# EAGLE board working (EAGLE 9.6.2), part 11 of 28 (continued)
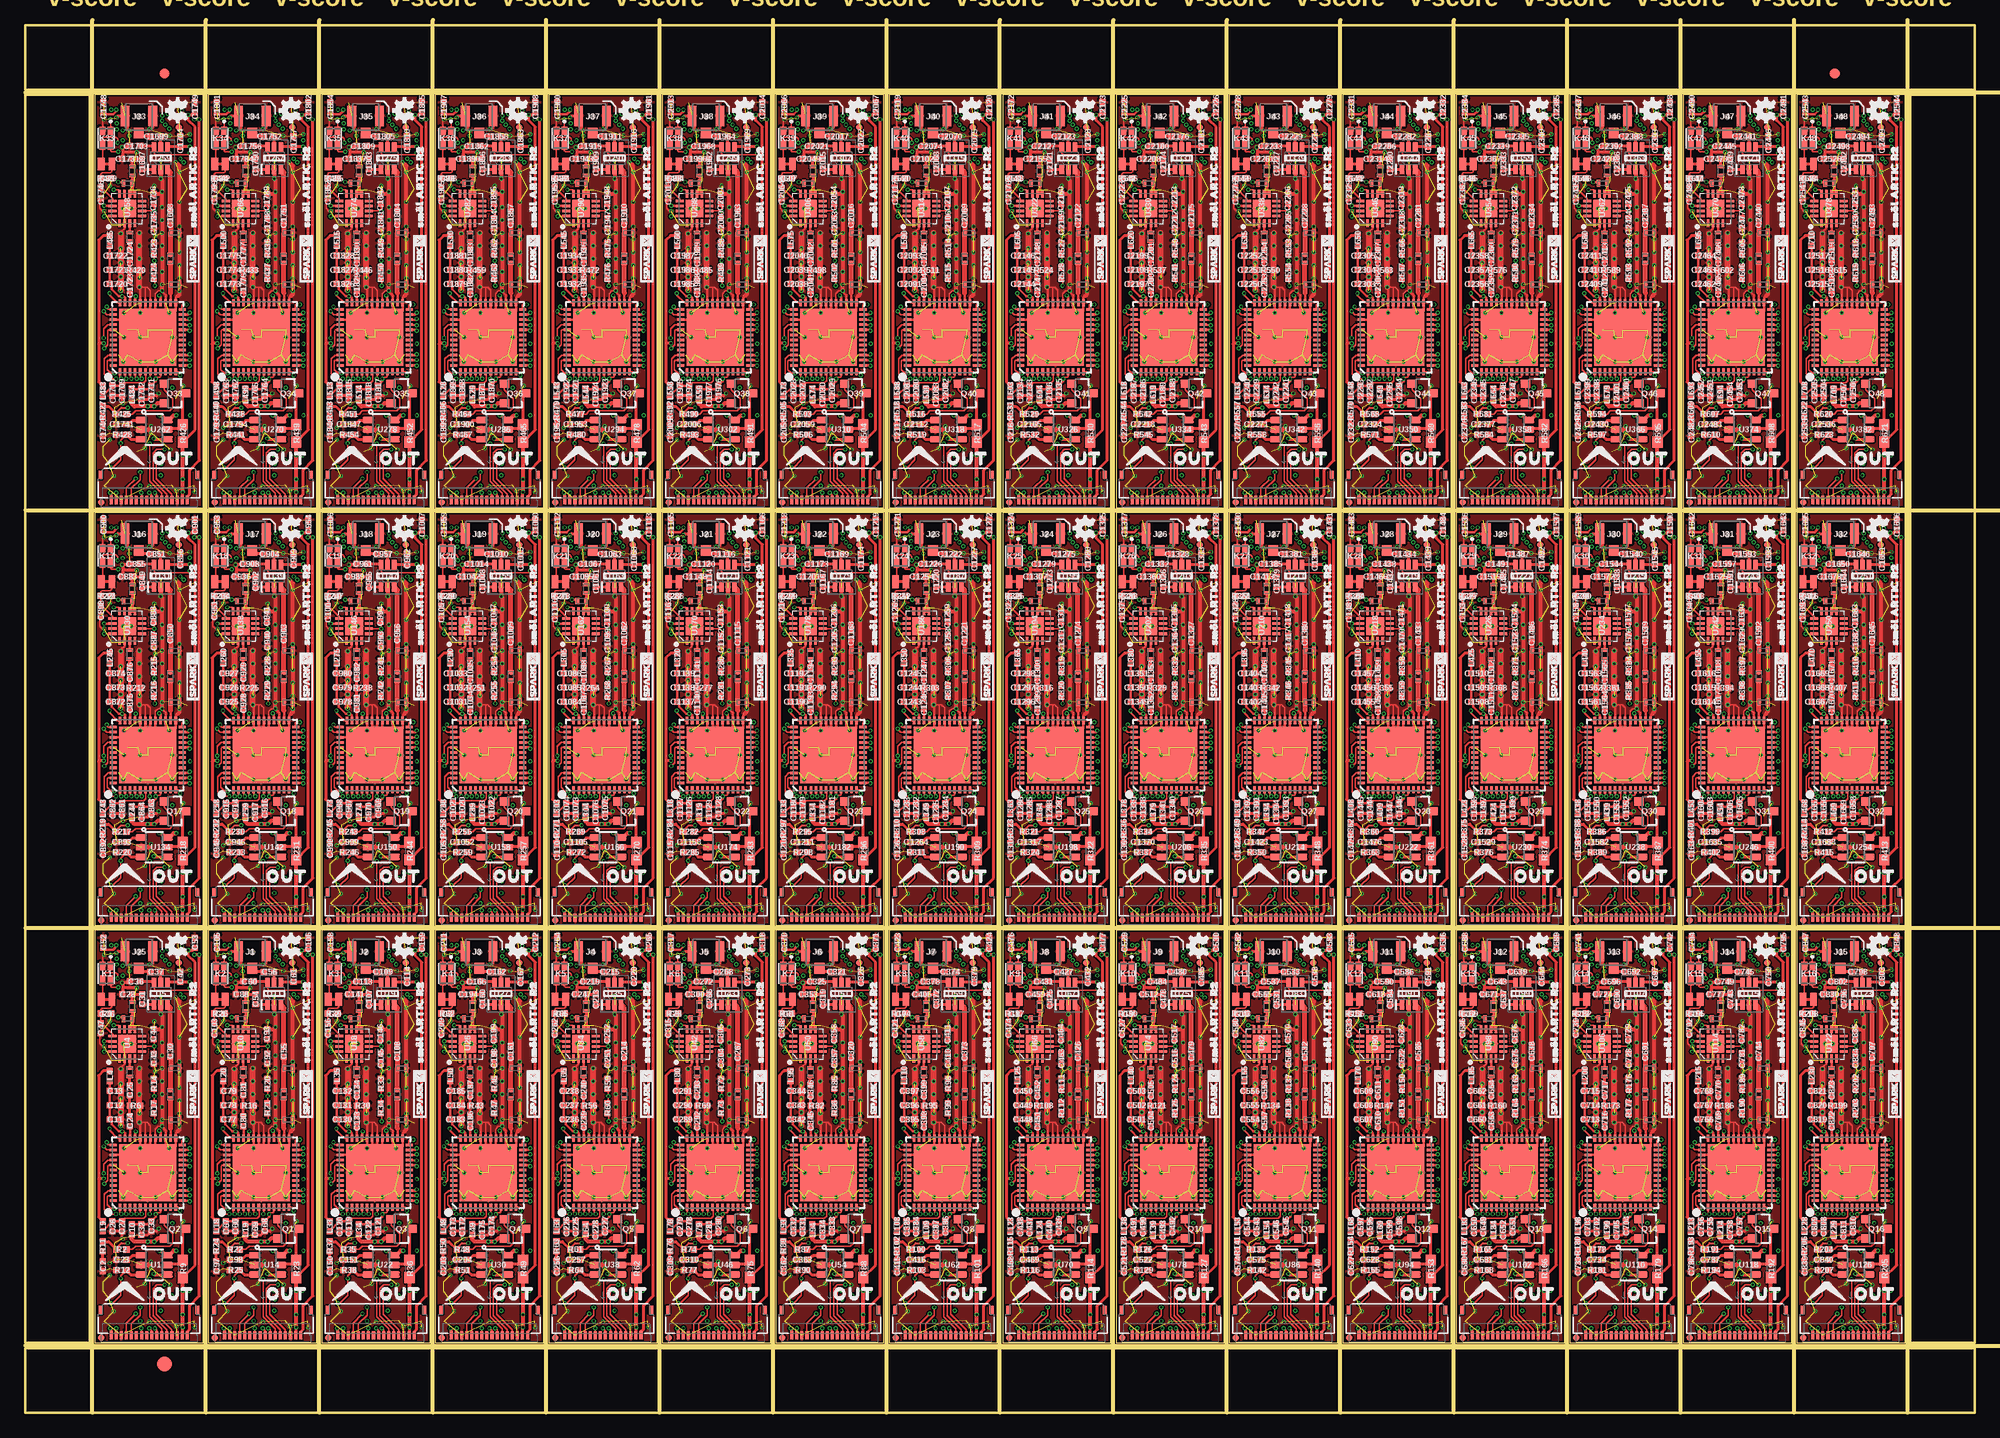
[diagram p0: board, top side]
## Tracks (layer width: path | path; a pad name or v marks a point on that pad's centre or on a via) (continued)
  Bottom 0.61: v82.04,94.3 v82.55,94.3
3.3V39  (via drill 0.2)
  Top 0.254: v87.19,128.33 87.19,128.21 86.87,127.89 86.11,127.89 C2119.1
  Top 0.305: OUT39.15 87.17,90.6 v87.19,90.62 | v93.67,128.27 93.67,128.14 93.98,127.83 v94.3,127.83 | C2120.1 94.67,127.83 v94.3,127.83 | R517.2 94.95,96.83 94.95,126.64 94.3,127.29 v94.3,127.83 | v93.73,90.68 93.67,90.63 OUT39.2
  Top 0.406: v93.09,98.23 92.84,98.23 92.39,97.79 U318.6 92.08,97.79 91.63,98.23 v91.44,98.23 | v93.73,90.68 v93.73,91.95 v93.73,94.3 R517.2
  Route15 0.305: v87.19,90.62 87.19,89.85 87.44,89.6 93.47,89.6 93.73,89.85 v93.73,90.68 | v87.19,128.33 87.19,129.03 87.5,129.35 93.35,129.35 93.67,129.03 v93.67,128.27
  Bottom 0.254: IN39.15 v87.19,128.33 | IN39.2 93.67,129.04
  Bottom 0.305: v93.73,90.68 93.86,90.81 C2110.1 93.86,91.81 v93.73,91.95 | v87.19,90.62 87.19,90.68 86.99,90.88 C2073.1 | 93.67,129.04 v93.67,128.27 93.67,128.14 93.98,127.83 v94.3,127.83
  Bottom 0.406: v93.09,98.23 92.33,98.23 | 92.33,98.23 v91.44,98.23 | v93.73,94.3 93.47,94.55 93.47,95.7 92.33,96.84 92.33,98.23
  Bottom 0.61: v93.22,94.3 v93.73,94.3
3.3V40  (via drill 0.2)
  Top 0.254: v98.36,128.33 98.36,128.21 98.04,127.89 97.29,127.89 C2172.1
  Top 0.305: OUT40.15 98.35,90.6 v98.36,90.62 | v104.84,128.27 104.84,128.14 105.15,127.83 v105.47,127.83 | C2173.1 105.85,127.83 v105.47,127.83 | R530.2 106.12,96.83 106.12,126.64 105.47,127.29 v105.47,127.83 | v104.9,90.68 104.85,90.63 OUT40.2
  Top 0.406: v104.27,98.23 104.01,98.23 103.57,97.79 U326.6 103.25,97.79 102.81,98.23 v102.62,98.23 | v104.9,90.68 v104.9,91.95 v104.9,94.3 R530.2
  Route15 0.305: v98.36,90.62 98.36,89.85 98.62,89.6 104.65,89.6 104.9,89.85 v104.9,90.68 | v98.36,128.33 98.36,129.03 98.68,129.35 104.52,129.35 104.84,129.03 v104.84,128.27
  Bottom 0.254: IN40.15 98.36,129.04 v98.36,128.33 | IN40.2
  Bottom 0.305: v104.9,90.68 105.04,90.81 C2163.1 105.04,91.81 v104.9,91.95 | v98.36,90.62 98.36,90.68 98.16,90.88 C2126.1 | IN40.2 v104.84,128.27 104.84,128.14 105.16,127.83 v105.47,127.83
  Bottom 0.406: v104.27,98.23 103.51,98.23 | 103.51,98.23 v102.62,98.23 | v104.9,94.3 104.65,94.55 104.65,95.7 103.51,96.84 103.51,98.23
  Bottom 0.61: v104.39,94.3 v104.9,94.3
3.3V41  (via drill 0.2)
  Top 0.254: v109.54,128.33 109.54,128.21 109.22,127.89 108.47,127.89 C2225.1
  Top 0.305: OUT41.15 109.53,90.6 v109.54,90.62 | v116.02,128.27 116.02,128.14 116.33,127.83 v116.65,127.83 | C2226.1 117.02,127.83 v116.65,127.83 | R543.2 117.3,96.83 117.3,126.64 116.65,127.29 v116.65,127.83 | v116.08,90.68 116.03,90.63 OUT41.2
  Top 0.406: v115.44,98.23 115.19,98.23 114.74,97.79 U334.6 114.43,97.79 113.98,98.23 v113.79,98.23 | v116.08,90.68 v116.08,91.95 v116.08,94.3 R543.2
  Route15 0.305: v109.54,90.62 109.54,89.85 109.79,89.6 115.82,89.6 116.08,89.85 v116.08,90.68 | v109.54,128.33 109.54,129.03 109.86,129.35 115.7,129.35 116.02,129.03 v116.02,128.27
  Bottom 0.254: IN41.15 v109.54,128.33 | IN41.2
  Bottom 0.305: v116.08,90.68 116.21,90.81 C2216.1 116.21,91.81 v116.08,91.95 | v109.54,90.62 109.54,90.68 109.34,90.88 C2179.1 | IN41.2 v116.02,128.27 116.02,128.14 116.33,127.83 v116.65,127.83
  Bottom 0.406: v115.44,98.23 114.68,98.23 | 114.68,98.23 v113.79,98.23 | v116.08,94.3 115.82,94.55 115.82,95.7 114.68,96.84 114.68,98.23
  Bottom 0.61: v115.57,94.3 v116.08,94.3
3.3V42  (via drill 0.2)
  Top 0.254: v120.71,128.33 120.71,128.21 120.4,127.89 119.64,127.89 C2278.1
  Top 0.305: OUT42.15 120.7,90.6 v120.71,90.62 | v127.19,128.27 127.19,128.14 127.51,127.83 v127.83,127.83 | C2279.1 128.2,127.83 v127.83,127.83 | R556.2 128.47,96.83 128.47,126.64 127.83,127.29 v127.83,127.83 | v127.25,90.68 127.2,90.63 OUT42.2
  Top 0.406: v126.62,98.23 126.37,98.23 125.92,97.79 U342.6 125.61,97.79 125.16,98.23 v124.97,98.23 | v127.25,90.68 v127.25,91.95 v127.25,94.3 R556.2
  Route15 0.305: v120.71,90.62 120.71,89.85 120.97,89.6 127,89.6 127.25,89.85 v127.25,90.68 | v120.71,128.33 120.71,129.03 121.03,129.35 126.88,129.35 127.19,129.03 v127.19,128.27
  Bottom 0.254: IN42.15 120.71,129.04 v120.71,128.33 | IN42.2
  Bottom 0.305: v127.25,90.68 127.39,90.81 C2269.1 127.39,91.81 v127.25,91.95 | v120.71,90.62 120.71,90.68 120.52,90.88 C2232.1 | IN42.2 v127.19,128.27 127.19,128.14 127.51,127.83 v127.83,127.83
  Bottom 0.406: v126.62,98.23 125.86,98.23 | 125.86,98.23 v124.97,98.23 | v127.25,94.3 127,94.55 127,95.7 125.86,96.84 125.86,98.23
  Bottom 0.61: v126.75,94.3 v127.25,94.3
3.3V43  (via drill 0.2)
  Top 0.254: v131.89,128.33 131.89,128.21 131.57,127.89 130.82,127.89 C2331.1
  Top 0.305: OUT43.15 131.88,90.6 v131.89,90.62 | v138.37,128.27 138.37,128.14 138.68,127.83 v139,127.83 | C2332.1 139.38,127.83 v139,127.83 | R569.2 139.65,96.83 139.65,126.64 139,127.29 v139,127.83 | v138.43,90.68 138.38,90.63 OUT43.2
  Top 0.406: v137.8,98.23 137.54,98.23 137.09,97.79 U350.6 136.78,97.79 136.33,98.23 v136.14,98.23 | v138.43,90.68 v138.43,91.95 v138.43,94.3 R569.2
  Route15 0.305: v131.89,90.62 131.89,89.85 132.14,89.6 138.18,89.6 138.43,89.85 v138.43,90.68 | v131.89,128.33 131.89,129.03 132.21,129.35 138.05,129.35 138.37,129.03 v138.37,128.27
  Bottom 0.254: IN43.15 131.89,129.04 v131.89,128.33 | IN43.2
  Bottom 0.305: v138.43,90.68 138.56,90.81 C2322.1 138.56,91.81 v138.43,91.95 | v131.89,90.62 131.89,90.68 131.69,90.88 C2285.1 | IN43.2 v138.37,128.27 138.37,128.14 138.69,127.83 v139,127.83
  Bottom 0.406: v137.8,98.23 137.03,98.23 | 137.03,98.23 v136.14,98.23 | v138.43,94.3 138.18,94.55 138.18,95.7 137.03,96.84 137.03,98.23
  Bottom 0.61: v137.92,94.3 v138.43,94.3
3.3V44  (via drill 0.2)
  Top 0.254: v143.07,128.33 143.07,128.21 142.75,127.89 141.99,127.89 C2384.1
  Top 0.305: OUT44.15 143.05,90.6 v143.07,90.62 | v149.55,128.27 149.55,128.14 149.86,127.83 v150.18,127.83 | C2385.1 150.55,127.83 v150.18,127.83 | R582.2 150.83,96.83 150.83,126.64 150.18,127.29 v150.18,127.83 | v149.61,90.68 149.55,90.63 OUT44.2
  Top 0.406: v148.97,98.23 148.72,98.23 148.27,97.79 U358.6 147.96,97.79 147.51,98.23 v147.32,98.23 | v149.61,90.68 v149.61,91.95 v149.61,94.3 R582.2
  Route15 0.305: v143.07,90.62 143.07,89.85 143.32,89.6 149.35,89.6 149.61,89.85 v149.61,90.68 | v143.07,128.33 143.07,129.03 143.38,129.35 149.23,129.35 149.55,129.03 v149.55,128.27
  Bottom 0.254: IN44.15 v143.07,128.33 | IN44.2 149.55,129.04
  Bottom 0.305: v149.61,90.68 149.74,90.81 C2375.1 149.74,91.81 v149.61,91.95 | v143.07,90.62 143.07,90.68 142.87,90.88 C2338.1 | 149.55,129.04 v149.55,128.27 149.55,128.14 149.86,127.83 v150.18,127.83
  Bottom 0.406: v148.97,98.23 148.21,98.23 | 148.21,98.23 v147.32,98.23 | v149.61,94.3 149.35,94.55 149.35,95.7 148.21,96.84 148.21,98.23
  Bottom 0.61: v149.1,94.3 v149.61,94.3
3.3V45  (via drill 0.2)
  Top 0.254: v154.24,128.33 154.24,128.21 153.92,127.89 153.17,127.89 C2437.1
  Top 0.305: OUT45.15 154.23,90.6 v154.24,90.62 | v160.72,128.27 160.72,128.14 161.03,127.83 v161.35,127.83 | C2438.1 161.73,127.83 v161.35,127.83 | R595.2 162,96.83 162,126.64 161.35,127.29 v161.35,127.83 | v160.78,90.68 160.73,90.63 OUT45.2
  Top 0.406: v160.15,98.23 159.89,98.23 159.45,97.79 U366.6 159.13,97.79 158.69,98.23 v158.5,98.23 | v160.78,90.68 v160.78,91.95 v160.78,94.3 R595.2
  Route15 0.305: v154.24,90.62 154.24,89.85 154.5,89.6 160.53,89.6 160.78,89.85 v160.78,90.68 | v154.24,128.33 154.24,129.03 154.56,129.35 160.4,129.35 160.72,129.03 v160.72,128.27
  Bottom 0.254: IN45.15 154.24,129.04 v154.24,128.33 | IN45.2
  Bottom 0.305: v160.78,90.68 160.92,90.81 C2428.1 160.92,91.81 v160.78,91.95 | v154.24,90.62 154.24,90.68 154.04,90.88 C2391.1 | IN45.2 v160.72,128.27 160.72,128.14 161.04,127.83 v161.35,127.83
  Bottom 0.406: v160.15,98.23 159.38,98.23 | 159.38,98.23 v158.5,98.23 | v160.78,94.3 160.53,94.55 160.53,95.7 159.38,96.84 159.38,98.23
  Bottom 0.61: v160.27,94.3 v160.78,94.3
3.3V46  (via drill 0.2)
  Top 0.254: v165.42,128.33 165.42,128.21 165.1,127.89 164.35,127.89 C2490.1
  Top 0.305: OUT46.15 165.41,90.6 v165.42,90.62 | v171.9,128.27 171.9,128.14 172.21,127.83 v172.53,127.83 | C2491.1 172.9,127.83 v172.53,127.83 | R608.2 173.18,96.83 173.18,126.64 172.53,127.29 v172.53,127.83 | v171.96,90.68 171.91,90.63 OUT46.2
  Top 0.406: v171.32,98.23 171.07,98.23 170.62,97.79 U374.6 170.31,97.79 169.86,98.23 v169.67,98.23 | v171.96,90.68 v171.96,91.95 v171.96,94.3 R608.2
  Route15 0.305: v165.42,90.62 165.42,89.85 165.67,89.6 171.7,89.6 171.96,89.85 v171.96,90.68 | v165.42,128.33 165.42,129.03 165.74,129.35 171.58,129.35 171.9,129.03 v171.9,128.27
  Bottom 0.254: IN46.15 v165.42,128.33 | IN46.2
  Bottom 0.305: v171.96,90.68 172.09,90.81 C2481.1 172.09,91.81 v171.96,91.95 | v165.42,90.62 165.42,90.68 165.22,90.88 C2444.1 | IN46.2 v171.9,128.27 171.9,128.14 172.21,127.83 v172.53,127.83
  Bottom 0.406: v171.32,98.23 170.56,98.23 | 170.56,98.23 v169.67,98.23 | v171.96,94.3 171.7,94.55 171.7,95.7 170.56,96.84 170.56,98.23
  Bottom 0.61: v171.45,94.3 v171.96,94.3
3.3V47  (via drill 0.2)
  Top 0.254: v176.59,128.33 176.59,128.21 176.28,127.89 175.52,127.89 C2543.1
  Top 0.305: OUT47.15 176.58,90.6 v176.59,90.62 | v183.07,128.27 183.07,128.14 183.39,127.83 v183.71,127.83 | C2544.1 184.08,127.83 v183.71,127.83 | R621.2 184.35,96.83 184.35,126.64 183.71,127.29 v183.71,127.83 | v183.13,90.68 183.08,90.63 OUT47.2
  Top 0.406: v182.5,98.23 182.25,98.23 181.8,97.79 U382.6 181.49,97.79 181.04,98.23 v180.85,98.23 | v183.13,90.68 v183.13,91.95 v183.13,94.3 R621.2
  Route15 0.305: v176.59,90.62 176.59,89.85 176.85,89.6 182.88,89.6 183.13,89.85 v183.13,90.68 | v176.59,128.33 176.59,129.03 176.91,129.35 182.76,129.35 183.07,129.03 v183.07,128.27
  Bottom 0.254: IN47.15 176.59,129.04 v176.59,128.33 | IN47.2
  Bottom 0.305: v183.13,90.68 183.27,90.81 C2534.1 183.27,91.81 v183.13,91.95 | v176.59,90.62 176.59,90.68 176.4,90.88 C2497.1 | IN47.2 v183.07,128.27 183.07,128.14 183.39,127.83 v183.71,127.83
  Bottom 0.406: v182.5,98.23 181.74,98.23 | 181.74,98.23 v180.85,98.23 | v183.13,94.3 182.88,94.55 182.88,95.7 181.74,96.84 181.74,98.23
  Bottom 0.61: v182.63,94.3 v183.13,94.3
ANTENNA
  Top 0.305: C37.1 11.51,43.43 J25.FEED
ANTENNA1
  Top 0.305: C56.1 22.68,43.43 J1.FEED
ANTENNA2
  Top 0.305: C109.1 33.86,43.43 J2.FEED
ANTENNA3
  Top 0.305: C162.1 45.03,43.43 J3.FEED
ANTENNA4
  Top 0.305: C215.1 56.21,43.43 J4.FEED
ANTENNA5
  Top 0.305: C268.1 67.39,43.43 J5.FEED
ANTENNA6
  Top 0.305: C321.1 78.56,43.43 J6.FEED
ANTENNA7
  Top 0.305: C374.1 89.74,43.43 J7.FEED
ANTENNA8
  Top 0.305: C427.1 100.91,43.43 J8.FEED
ANTENNA9
  Top 0.305: C480.1 112.09,43.43 J9.FEED
ANTENNA10
  Top 0.305: C533.1 123.27,43.43 J10.FEED
ANTENNA11
  Top 0.305: C586.1 134.44,43.43 J11.FEED
ANTENNA12
  Top 0.305: C639.1 145.62,43.43 J12.FEED
ANTENNA13
  Top 0.305: C692.1 156.79,43.43 J13.FEED
ANTENNA14
  Top 0.305: C745.1 167.97,43.43 J14.FEED
ANTENNA15
  Top 0.305: C798.1 179.15,43.43 J15.FEED
ANTENNA16
  Top 0.305: C851.1 11.51,84.58 J16.FEED
ANTENNA17
  Top 0.305: C904.1 22.68,84.58 J17.FEED
ANTENNA18
  Top 0.305: C957.1 33.86,84.58 J18.FEED
ANTENNA19
  Top 0.305: C1010.1 45.03,84.58 J19.FEED
ANTENNA20
  Top 0.305: C1063.1 56.21,84.58 J20.FEED
ANTENNA21
  Top 0.305: C1116.1 67.39,84.58 J21.FEED
ANTENNA22
  Top 0.305: C1169.1 78.56,84.58 J22.FEED
ANTENNA23
  Top 0.305: C1222.1 89.74,84.58 J23.FEED
ANTENNA24
  Top 0.305: C1275.1 100.91,84.58 J24.FEED
ANTENNA25
  Top 0.305: C1328.1 112.09,84.58 J26.FEED
ANTENNA26
  Top 0.305: C1381.1 123.27,84.58 J27.FEED
ANTENNA27
  Top 0.305: C1434.1 134.44,84.58 J28.FEED
ANTENNA28
  Top 0.305: C1487.1 145.62,84.58 J29.FEED
ANTENNA29
  Top 0.305: C1540.1 156.79,84.58 J30.FEED
ANTENNA30
  Top 0.305: C1593.1 167.97,84.58 J31.FEED
ANTENNA31
  Top 0.305: C1646.1 179.15,84.58 J32.FEED
ANTENNA32
  Top 0.305: C1699.1 11.51,125.73 J33.FEED
ANTENNA33
  Top 0.305: C1752.1 22.68,125.73 J34.FEED
ANTENNA34
  Top 0.305: C1805.1 33.86,125.73 J35.FEED
ANTENNA35
  Top 0.305: C1858.1 45.03,125.73 J36.FEED
ANTENNA36
  Top 0.305: C1911.1 56.21,125.73 J37.FEED
ANTENNA37
  Top 0.305: C1964.1 67.39,125.73 J38.FEED
ANTENNA38
  Top 0.305: C2017.1 78.56,125.73 J39.FEED
ANTENNA39
  Top 0.305: C2070.1 89.74,125.73 J40.FEED
ANTENNA40
  Top 0.305: C2123.1 100.91,125.73 J41.FEED
ANTENNA41
  Top 0.305: C2176.1 112.09,125.73 J42.FEED
ANTENNA42
  Top 0.305: C2229.1 123.27,125.73 J43.FEED
ANTENNA43
  Top 0.305: C2282.1 134.44,125.73 J44.FEED
ANTENNA44
  Top 0.305: C2335.1 145.62,125.73 J45.FEED
ANTENNA45
  Top 0.305: C2388.1 156.79,125.73 J46.FEED
ANTENNA46
  Top 0.305: C2441.1 167.97,125.73 J47.FEED
ANTENNA47
  Top 0.305: C2494.1 179.15,125.73 J48.FEED
BOOT  (via drill 0.2)
  Top 0.152: U3.46 8.16,21.87 7.79,21.5 7.79,20.03 8.25,19.56 v8.93,19.56
  Route15 0.152: v8.93,19.56 8.93,17.18 10.3,15.81 10.3,12.18 11.18,11.3 12.57,11.3 13.34,10.54 v13.34,10.03
  Bottom 0.152: U8.3 13.72,9.71 13.37,10.06 v13.34,10.03 | R5.1 8.93,18.38 v8.93,19.56
BOOT1  (via drill 0.2)
  Top 0.152: U9.46 19.33,21.87 18.96,21.5 18.96,20.03 19.43,19.56 v20.1,19.56
  Route15 0.152: v20.1,19.56 20.1,17.18 21.47,15.81 21.47,12.18 22.35,11.3 23.75,11.3 24.51,10.54 v24.51,10.03
  Bottom 0.152: U16.3 24.9,9.71 24.54,10.06 v24.51,10.03 | R13.1 20.1,18.38 v20.1,19.56
BOOT2  (via drill 0.2)
  Top 0.152: U17.46 30.51,21.87 30.14,21.5 30.14,20.03 30.61,19.56 v31.28,19.56
  Route15 0.152: v31.28,19.56 31.28,17.18 32.65,15.81 32.65,12.18 33.53,11.3 34.92,11.3 35.69,10.54 v35.69,10.03
  Bottom 0.152: U24.3 36.08,9.71 35.72,10.06 v35.69,10.03 | R28.1 31.28,18.38 v31.28,19.56
BOOT3  (via drill 0.2)
  Top 0.152: U25.46 41.68,21.87 41.31,21.5 41.31,20.03 41.78,19.56 v42.46,19.56
  Route15 0.152: v42.46,19.56 42.46,17.18 43.83,15.81 43.83,12.18 44.7,11.3 46.1,11.3 46.86,10.54 v46.86,10.03
  Bottom 0.152: U32.3 47.25,9.71 46.89,10.06 v46.86,10.03 | R41.1 42.46,18.38 v42.46,19.56
BOOT4  (via drill 0.2)
  Top 0.152: U33.46 52.86,21.87 52.49,21.5 52.49,20.03 52.96,19.56 v53.63,19.56
  Route15 0.152: v53.63,19.56 53.63,17.18 55,15.81 55,12.18 55.88,11.3 57.28,11.3 58.04,10.54 v58.04,10.03
  Bottom 0.152: U40.3 58.43,9.71 58.07,10.06 v58.04,10.03 | R54.1 53.63,18.38 v53.63,19.56
BOOT5  (via drill 0.2)
  Top 0.152: U41.46 64.04,21.87 63.66,21.5 63.66,20.03 64.14,19.56 v64.81,19.56
  Route15 0.152: v64.81,19.56 64.81,17.18 66.18,15.81 66.18,12.18 67.06,11.3 68.45,11.3 69.22,10.54 v69.22,10.03
  Bottom 0.152: U48.3 69.6,9.71 69.25,10.06 v69.22,10.03 | R67.1 64.81,18.38 v64.81,19.56
BOOT6  (via drill 0.2)
  Top 0.152: U49.46 75.21,21.87 74.84,21.5 74.84,20.03 75.31,19.56 v75.98,19.56
  Route15 0.152: v75.98,19.56 75.98,17.18 77.35,15.81 77.35,12.18 78.23,11.3 79.63,11.3 80.39,10.54 v80.39,10.03
  Bottom 0.152: U56.3 80.78,9.71 80.42,10.06 v80.39,10.03 | R80.1 75.98,18.38 v75.98,19.56
BOOT7  (via drill 0.2)
  Top 0.152: U57.46 86.39,21.87 86.02,21.5 86.02,20.03 86.49,19.56 v87.16,19.56
  Route15 0.152: v87.16,19.56 87.16,17.18 88.53,15.81 88.53,12.18 89.41,11.3 90.81,11.3 91.57,10.54 v91.57,10.03
  Bottom 0.152: U64.3 91.95,9.71 91.6,10.06 v91.57,10.03 | R93.1 87.16,18.38 v87.16,19.56
BOOT8  (via drill 0.2)
  Top 0.152: U65.46 97.56,21.87 97.19,21.5 97.19,20.03 97.66,19.56 v98.34,19.56
  Route15 0.152: v98.34,19.56 98.34,17.18 99.71,15.81 99.71,12.18 100.58,11.3 101.98,11.3 102.74,10.54 v102.74,10.03
  Bottom 0.152: U72.3 103.13,9.71 102.78,10.06 v102.74,10.03 | R106.1 98.34,18.38 v98.34,19.56
BOOT9  (via drill 0.2)
  Top 0.152: U73.46 108.74,21.87 108.37,21.5 108.37,20.03 108.84,19.56 v109.51,19.56
  Route15 0.152: v109.51,19.56 109.51,17.18 110.88,15.81 110.88,12.18 111.76,11.3 113.16,11.3 113.92,10.54 v113.92,10.03
  Bottom 0.152: U80.3 114.31,9.71 113.95,10.06 v113.92,10.03 | R119.1 109.51,18.38 v109.51,19.56
BOOT10  (via drill 0.2)
  Top 0.152: U81.46 119.92,21.87 119.55,21.5 119.55,20.03 120.02,19.56 v120.69,19.56
  Route15 0.152: v120.69,19.56 120.69,17.18 122.06,15.81 122.06,12.18 122.94,11.3 124.33,11.3 125.09,10.54 v125.09,10.03
  Bottom 0.152: U88.3 125.48,9.71 125.13,10.06 v125.09,10.03 | R132.1 120.69,18.38 v120.69,19.56
BOOT11  (via drill 0.2)
  Top 0.152: U89.46 131.09,21.87 130.72,21.5 130.72,20.03 131.19,19.56 v131.86,19.56
  Route15 0.152: v131.86,19.56 131.86,17.18 133.23,15.81 133.23,12.18 134.11,11.3 135.51,11.3 136.27,10.54 v136.27,10.03
  Bottom 0.152: U96.3 136.66,9.71 136.3,10.06 v136.27,10.03 | R145.1 131.86,18.38 v131.86,19.56
BOOT12  (via drill 0.2)
  Top 0.152: U97.46 142.27,21.87 141.9,21.5 141.9,20.03 142.37,19.56 v143.04,19.56
  Route15 0.152: v143.04,19.56 143.04,17.18 144.41,15.81 144.41,12.18 145.29,11.3 146.69,11.3 147.45,10.54 v147.45,10.03
  Bottom 0.152: U104.3 147.84,9.71 147.48,10.06 v147.45,10.03 | R158.1 143.04,18.38 v143.04,19.56
BOOT13  (via drill 0.2)
  Top 0.152: U105.46 153.44,21.87 153.07,21.5 153.07,20.03 153.54,19.56 v154.22,19.56
  Route15 0.152: v154.22,19.56 154.22,17.18 155.59,15.81 155.59,12.18 156.46,11.3 157.86,11.3 158.62,10.54 v158.62,10.03
  Bottom 0.152: U112.3 159.01,9.71 158.66,10.06 v158.62,10.03 | R171.1 154.22,18.38 v154.22,19.56
BOOT14  (via drill 0.2)
  Top 0.152: U113.46 164.62,21.87 164.25,21.5 164.25,20.03 164.72,19.56 v165.39,19.56
  Route15 0.152: v165.39,19.56 165.39,17.18 166.76,15.81 166.76,12.18 167.64,11.3 169.04,11.3 169.8,10.54 v169.8,10.03
  Bottom 0.152: U120.3 170.19,9.71 169.83,10.06 v169.8,10.03 | R184.1 165.39,18.38 v165.39,19.56
BOOT15  (via drill 0.2)
  Top 0.152: U121.46 175.8,21.87 175.43,21.5 175.43,20.03 175.9,19.56 v176.57,19.56
  Route15 0.152: v176.57,19.56 176.57,17.18 177.94,15.81 177.94,12.18 178.82,11.3 180.21,11.3 180.97,10.54 v180.97,10.03
  Bottom 0.152: U128.3 181.36,9.71 181.01,10.06 v180.97,10.03 | R197.1 176.57,18.38 v176.57,19.56
BOOT16  (via drill 0.2)
  Top 0.152: U129.46 8.16,63.02 7.79,62.65 7.79,61.18 8.25,60.71 v8.93,60.71
  Route15 0.152: v8.93,60.71 8.93,58.33 10.3,56.96 10.3,53.33 11.18,52.45 12.57,52.45 13.34,51.69 v13.34,51.18
  Bottom 0.152: U136.3 13.72,50.86 13.37,51.21 v13.34,51.18 | R210.1 8.93,59.53 v8.93,60.71
BOOT17  (via drill 0.2)
  Top 0.152: U137.46 19.33,63.02 18.96,62.65 18.96,61.18 19.43,60.71 v20.1,60.71
  Route15 0.152: v20.1,60.71 20.1,58.33 21.47,56.96 21.47,53.33 22.35,52.45 23.75,52.45 24.51,51.69 v24.51,51.18
  Bottom 0.152: U144.3 24.9,50.86 24.54,51.21 v24.51,51.18 | R223.1 20.1,59.53 v20.1,60.71
BOOT18  (via drill 0.2)
  Top 0.152: U145.46 30.51,63.02 30.14,62.65 30.14,61.18 30.61,60.71 v31.28,60.71
  Route15 0.152: v31.28,60.71 31.28,58.33 32.65,56.96 32.65,53.33 33.53,52.45 34.92,52.45 35.69,51.69 v35.69,51.18
  Bottom 0.152: U152.3 36.08,50.86 35.72,51.21 v35.69,51.18 | R236.1 31.28,59.53 v31.28,60.71
BOOT19  (via drill 0.2)
  Top 0.152: U153.46 41.68,63.02 41.31,62.65 41.31,61.18 41.78,60.71 v42.46,60.71
  Route15 0.152: v42.46,60.71 42.46,58.33 43.83,56.96 43.83,53.33 44.7,52.45 46.1,52.45 46.86,51.69 v46.86,51.18
  Bottom 0.152: U160.3 47.25,50.86 46.89,51.21 v46.86,51.18 | R249.1 42.46,59.53 v42.46,60.71
BOOT20  (via drill 0.2)
  Top 0.152: U161.46 52.86,63.02 52.49,62.65 52.49,61.18 52.96,60.71 v53.63,60.71
  Route15 0.152: v53.63,60.71 53.63,58.33 55,56.96 55,53.33 55.88,52.45 57.28,52.45 58.04,51.69 v58.04,51.18
  Bottom 0.152: U168.3 58.43,50.86 58.07,51.21 v58.04,51.18 | R262.1 53.63,59.53 v53.63,60.71
BOOT21  (via drill 0.2)
  Top 0.152: U169.46 64.04,63.02 63.66,62.65 63.66,61.18 64.14,60.71 v64.81,60.71
  Route15 0.152: v64.81,60.71 64.81,58.33 66.18,56.96 66.18,53.33 67.06,52.45 68.45,52.45 69.22,51.69 v69.22,51.18
  Bottom 0.152: U176.3 69.6,50.86 69.25,51.21 v69.22,51.18 | R275.1 64.81,59.53 v64.81,60.71
BOOT22  (via drill 0.2)
  Top 0.152: U177.46 75.21,63.02 74.84,62.65 74.84,61.18 75.31,60.71 v75.98,60.71
  Route15 0.152: v75.98,60.71 75.98,58.33 77.35,56.96 77.35,53.33 78.23,52.45 79.63,52.45 80.39,51.69 v80.39,51.18
  Bottom 0.152: U184.3 80.78,50.86 80.42,51.21 v80.39,51.18 | R288.1 75.98,59.53 v75.98,60.71
BOOT23  (via drill 0.2)
  Top 0.152: U185.46 86.39,63.02 86.02,62.65 86.02,61.18 86.49,60.71 v87.16,60.71
  Route15 0.152: v87.16,60.71 87.16,58.33 88.53,56.96 88.53,53.33 89.41,52.45 90.81,52.45 91.57,51.69 v91.57,51.18
  Bottom 0.152: U192.3 91.95,50.86 91.6,51.21 v91.57,51.18 | R301.1 87.16,59.53 v87.16,60.71
BOOT24  (via drill 0.2)
  Top 0.152: U193.46 97.56,63.02 97.19,62.65 97.19,61.18 97.66,60.71 v98.34,60.71
  Route15 0.152: v98.34,60.71 98.34,58.33 99.71,56.96 99.71,53.33 100.58,52.45 101.98,52.45 102.74,51.69 v102.74,51.18
  Bottom 0.152: U200.3 103.13,50.86 102.78,51.21 v102.74,51.18 | R314.1 98.34,59.53 v98.34,60.71
BOOT25  (via drill 0.2)
  Top 0.152: U201.46 108.74,63.02 108.37,62.65 108.37,61.18 108.84,60.71 v109.51,60.71
  Route15 0.152: v109.51,60.71 109.51,58.33 110.88,56.96 110.88,53.33 111.76,52.45 113.16,52.45 113.92,51.69 v113.92,51.18
  Bottom 0.152: U208.3 114.31,50.86 113.95,51.21 v113.92,51.18 | R327.1 109.51,59.53 v109.51,60.71
BOOT26  (via drill 0.2)
  Top 0.152: U209.46 119.92,63.02 119.55,62.65 119.55,61.18 120.02,60.71 v120.69,60.71
  Route15 0.152: v120.69,60.71 120.69,58.33 122.06,56.96 122.06,53.33 122.94,52.45 124.33,52.45 125.09,51.69 v125.09,51.18
  Bottom 0.152: U216.3 125.48,50.86 125.13,51.21 v125.09,51.18 | R340.1 120.69,59.53 v120.69,60.71
BOOT27  (via drill 0.2)
  Top 0.152: U217.46 131.09,63.02 130.72,62.65 130.72,61.18 131.19,60.71 v131.86,60.71
  Route15 0.152: v131.86,60.71 131.86,58.33 133.23,56.96 133.23,53.33 134.11,52.45 135.51,52.45 136.27,51.69 v136.27,51.18
  Bottom 0.152: U224.3 136.66,50.86 136.3,51.21 v136.27,51.18 | R353.1 131.86,59.53 v131.86,60.71
BOOT28  (via drill 0.2)
  Top 0.152: U225.46 142.27,63.02 141.9,62.65 141.9,61.18 142.37,60.71 v143.04,60.71
  Route15 0.152: v143.04,60.71 143.04,58.33 144.41,56.96 144.41,53.33 145.29,52.45 146.69,52.45 147.45,51.69 v147.45,51.18
  Bottom 0.152: U232.3 147.84,50.86 147.48,51.21 v147.45,51.18 | R366.1 143.04,59.53 v143.04,60.71
BOOT29  (via drill 0.2)
  Top 0.152: U233.46 153.44,63.02 153.07,62.65 153.07,61.18 153.54,60.71 v154.22,60.71
  Route15 0.152: v154.22,60.71 154.22,58.33 155.59,56.96 155.59,53.33 156.46,52.45 157.86,52.45 158.62,51.69 v158.62,51.18
  Bottom 0.152: U240.3 159.01,50.86 158.66,51.21 v158.62,51.18 | R379.1 154.22,59.53 v154.22,60.71
BOOT30  (via drill 0.2)
  Top 0.152: U241.46 164.62,63.02 164.25,62.65 164.25,61.18 164.72,60.71 v165.39,60.71
  Route15 0.152: v165.39,60.71 165.39,58.33 166.76,56.96 166.76,53.33 167.64,52.45 169.04,52.45 169.8,51.69 v169.8,51.18
  Bottom 0.152: U248.3 170.19,50.86 169.83,51.21 v169.8,51.18 | R392.1 165.39,59.53 v165.39,60.71
BOOT31  (via drill 0.2)
  Top 0.152: U249.46 175.8,63.02 175.43,62.65 175.43,61.18 175.9,60.71 v176.57,60.71
  Route15 0.152: v176.57,60.71 176.57,58.33 177.94,56.96 177.94,53.33 178.82,52.45 180.21,52.45 180.97,51.69 v180.97,51.18
  Bottom 0.152: U256.3 181.36,50.86 181.01,51.21 v180.97,51.18 | R405.1 176.57,59.53 v176.57,60.71
BOOT32  (via drill 0.2)
  Top 0.152: U257.46 8.16,104.17 7.79,103.8 7.79,102.32 8.25,101.85 v8.93,101.85
  Route15 0.152: v8.93,101.85 8.93,99.48 10.3,98.11 10.3,94.48 11.18,93.6 12.57,93.6 13.34,92.84 v13.34,92.33
  Bottom 0.152: U264.3 13.72,92 13.37,92.36 v13.34,92.33 | R418.1 8.93,100.68 v8.93,101.85
BOOT33  (via drill 0.2)
  Top 0.152: U265.46 19.33,104.17 18.96,103.8 18.96,102.32 19.43,101.85 v20.1,101.85
  Route15 0.152: v20.1,101.85 20.1,99.48 21.47,98.11 21.47,94.48 22.35,93.6 23.75,93.6 24.51,92.84 v24.51,92.33
  Bottom 0.152: U272.3 24.9,92 24.54,92.36 v24.51,92.33 | R431.1 20.1,100.68 v20.1,101.85
BOOT34  (via drill 0.2)
  Top 0.152: U273.46 30.51,104.17 30.14,103.8 30.14,102.32 30.61,101.85 v31.28,101.85
  Route15 0.152: v31.28,101.85 31.28,99.48 32.65,98.11 32.65,94.48 33.53,93.6 34.92,93.6 35.69,92.84 v35.69,92.33
  Bottom 0.152: U280.3 36.08,92 35.72,92.36 v35.69,92.33 | R444.1 31.28,100.68 v31.28,101.85
BOOT35  (via drill 0.2)
  Top 0.152: U281.46 41.68,104.17 41.31,103.8 41.31,102.32 41.78,101.85 v42.46,101.85
  Route15 0.152: v42.46,101.85 42.46,99.48 43.83,98.11 43.83,94.48 44.7,93.6 46.1,93.6 46.86,92.84 v46.86,92.33
  Bottom 0.152: U288.3 47.25,92 46.89,92.36 v46.86,92.33 | R457.1 42.46,100.68 v42.46,101.85
BOOT36  (via drill 0.2)
  Top 0.152: U289.46 52.86,104.17 52.49,103.8 52.49,102.32 52.96,101.85 v53.63,101.85
  Route15 0.152: v53.63,101.85 53.63,99.48 55,98.11 55,94.48 55.88,93.6 57.28,93.6 58.04,92.84 v58.04,92.33
  Bottom 0.152: U296.3 58.43,92 58.07,92.36 v58.04,92.33 | R470.1 53.63,100.68 v53.63,101.85
BOOT37  (via drill 0.2)
  Top 0.152: U297.46 64.04,104.17 63.66,103.8 63.66,102.32 64.14,101.85 v64.81,101.85
  Route15 0.152: v64.81,101.85 64.81,99.48 66.18,98.11 66.18,94.48 67.06,93.6 68.45,93.6 69.22,92.84 v69.22,92.33
  Bottom 0.152: U304.3 69.6,92 69.25,92.36 v69.22,92.33 | R483.1 64.81,100.68 v64.81,101.85
BOOT38  (via drill 0.2)
  Top 0.152: U305.46 75.21,104.17 74.84,103.8 74.84,102.32 75.31,101.85 v75.98,101.85
  Route15 0.152: v75.98,101.85 75.98,99.48 77.35,98.11 77.35,94.48 78.23,93.6 79.63,93.6 80.39,92.84 v80.39,92.33
  Bottom 0.152: U312.3 80.78,92 80.42,92.36 v80.39,92.33 | R496.1 75.98,100.68 v75.98,101.85
BOOT39  (via drill 0.2)
  Top 0.152: U313.46 86.39,104.17 86.02,103.8 86.02,102.32 86.49,101.85 v87.16,101.85